# KiCad board sakura50.kicad_pcb (continued)
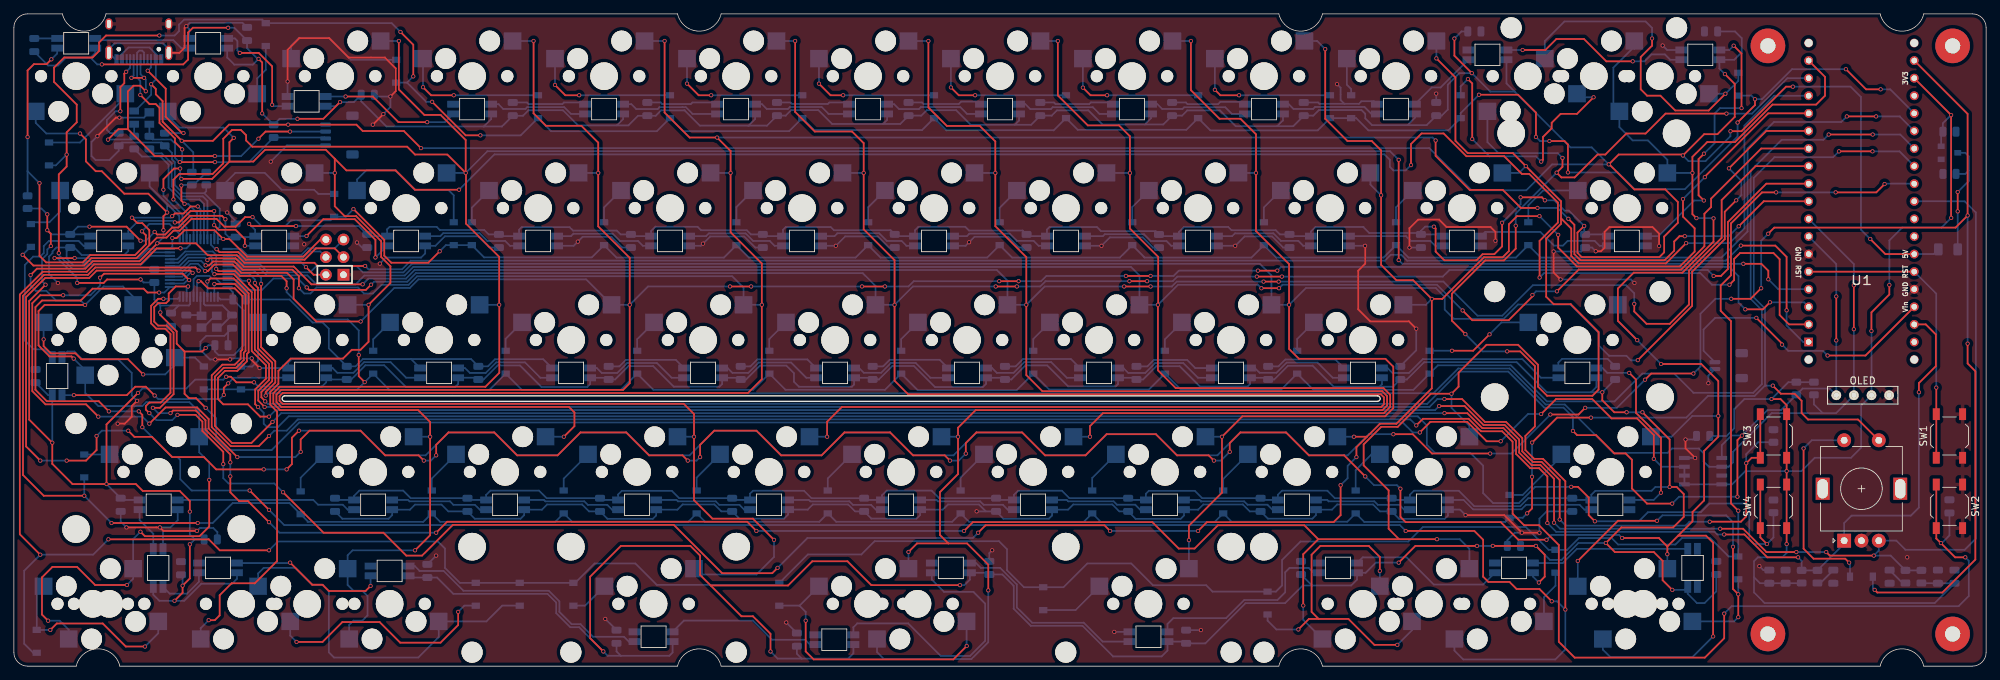
[diagram p0: board, top side]
## Routing (per net, layer and track width the routed paths; a pad name or vN(x,y) marks a point on that pad's centre or on a via; arc(x,y) is an arc through that point) (continued)
row1: length 335.8
  Top w0.25: v1(1.27,59.4) 2.82,57.85 10.14,57.85 11.2,58.92 17.68,58.92 20.65,61.88 22.03,61.88 23.04,62.89 23.94,62.89 25.63,64.58 29.27,64.58 30.39,63.47 32,63.47 33.38,64.84 v1(34.45,64.84) ; v1(17.04,64.76) 17.83,63.97 18.54,63.97 19.55,62.96 19.55,60.79 ; v1(26.54,66.39) 25.53,66.39 24.51,65.37 23.24,65.37 v1(22.86,64.99) ; v1(264.59,79.39) v1(268.81,79.39) ; v1(49.02,66.01) 53.47,61.56 53.47,59.28 54.48,58.26 59.82,58.26 v1(61.47,59.91)
  Bottom w0.25: v1(22.86,64.99) 22.63,64.76 v1(17.04,64.76) ; v1(26.54,66.39) 26.94,65.99 U2.31 ; v1(264.59,79.39) 263.78,78.58 254.06,78.58 250.26,74.78 250.26,62.77 246.5,59 220.41,59 D25.1 216.82,59 201.31,59 D24.1 197.72,59 182.24,59 D23.1 178.65,59 163.21,59 163.08,59.14 163.08,59.16 D22.1 159.64,59 144.09,59 D21.1 140.5,59 125.11,59 D20.1 121.52,59 106.1,59 D19.1 102.51,59 86.99,59 D18.1 83.43,59.03 67.88,59.03 D17.1 D16.1 62.36,60.8 v1(61.47,59.91) ; U1.22 272.22,79.39 v1(268.81,79.39) ; v1(34.45,64.84) 35.74,63.55 39.19,63.55 40.03,64.39 45.73,64.39 D15.1 47.91,64.9 v1(49.02,66.01) ; D14.1 2.41,60.55 v1(1.27,59.4)
row2: length 347.9
  Top w0.25: v1(50.64,41.02) 49.78,41.88 v1(49.78,44.92) ; v1(29.21,57.37) 29.53,57.05 31.94,57.05 32.63,56.35 38.61,56.35 39.37,55.59 v1(39.37,54.58) ; v1(261.97,76.77) v1(268.32,76.77)
  Bottom w0.25: v1(268.32,76.77) 272.3,76.77 U1.23 ; v1(39.37,54.58) 39.37,54.01 43.31,50.07 48.19,50.07 49.78,48.48 v1(49.78,44.92) ; v1(261.97,76.77) 261.21,76.01 255.17,76.01 250.71,71.54 250.71,53.04 252.33,51.42 252.33,40.72 251.08,39.47 242.45,39.47 239.68,42.25 235.07,42.25 231.05,38.23 221.3,38.23 216.09,43.44 205.56,43.44 D36.1 202.02,39.9 187.59,39.9 D35.1 182.93,39.93 168.47,39.93 D34.1 163.85,39.95 149.45,39.95 D33.1 144.75,39.85 130.47,39.85 D32.1 125.74,39.91 111.39,39.91 D31.1 106.71,39.91 92.3,39.91 D30.1 87.59,39.87 73.37,39.87 D29.1 68.61,39.86 54.26,39.86 D28.1 v1(50.64,41.02) 49.56,39.93 32.83,39.93 D27.1 D26.1 ; v1(29.21,57.37) 29.21,59.38 28.7,59.89 24.74,59.89 23.61,58.76 U2.21
row3: length 416.4
  Top w0.25: v1(227.65,35.89) 222.76,35.89 v1(219.16,32.29) ; v1(268.29,74.34) 268.29,74.34 v1(263.45,74.34) ; v1(14.1,20.67) v1(26.54,20.67) ; v1(253.9,40.51) 255.07,39.34 257.05,39.34 258.06,38.32 258.06,36.54 258.99,35.61 266.21,35.61 MX50.S1 ; v1(219.15,27.34) 219.15,22.77 v1(218.44,22.06) ; v1(10.16,24.61) 4.31,24.61 1.31,27.61 1.31,53.48 4.34,56.5 10.7,56.5 11.76,57.57 26.22,57.57 v1(26.67,57.12)
  Bottom w0.25: U1.24 272.19,74.34 v1(268.29,74.34) ; 252.78,40.53 252.78,51.63 251.16,53.26 251.16,70.52 254.14,73.5 262.61,73.5 v1(263.45,74.34) ; 252.78,40.53 251.27,39.02 244.54,39.02 241.41,35.89 v1(227.65,35.89) ; 252.78,40.53 252.81,40.51 v1(253.9,40.51) ; v1(26.54,20.67) 28.71,20.67 31.59,23.55 39.79,23.55 D38.1 42.5,20.84 ; v1(219.15,27.34) 219.15,32.28 v1(219.16,32.29) ; v1(218.44,22.06) 217.81,21.43 D47.1 215.29,20.82 194.93,20.82 D46.1 192.48,20.85 175.78,20.85 D45.1 173.33,20.82 156.9,20.82 D44.1 154.43,20.84 137.89,20.84 D43.1 135.45,20.85 118.71,20.85 D42.1 116.27,20.85 99.78,20.85 D41.1 97.33,20.83 80.61,20.83 D40.1 78.15,20.84 61.55,20.84 D39.1 59.1,20.84 42.38,20.84 ; v1(26.67,57.12) 26.16,57.62 25.66,57.62 24.29,56.26 U2.16 ; D37.1 10.16,24.61 v1(10.16,24.61) v1(14.1,20.67)
row4: length 435.9
  Top w0.25: v1(254.38,68.42) 252.35,68.42 247.87,63.94 247.87,56.45 246.38,54.96 246.38,51.31 247.87,49.82 247.87,23.5 v1(248.92,22.45) ; v1(270.04,69.62) 268.84,68.42 v1(262.97,68.42) ; v1(36.83,16.73) 29.72,16.73 28.13,18.32 v1(13.65,18.32) ; v1(24.05,60.34) 20.62,60.34 18.3,58.02 11.57,58.02 10.51,56.95 4.16,56.95 0.86,53.66 0.86,19.04 v1(3.81,16.09)
  Bottom w0.25: D49.1 2.79,1.93 1.49,3.23 1.49,13.77 v1(3.81,16.09) 11.43,16.09 v1(13.65,18.32) ; v1(270.04,69.62) 270.09,69.67 U1.25 ; v1(36.83,16.73) 38.1,18 61.21,18 62.23,16.98 62.23,14.19 64.39,12.03 D51.1 81.03,12.03 83.82,14.83 89.72,14.83 92.8,11.74 110.2,11.74 D53.1 110.52,12.03 114.61,16.13 122.34,16.13 124.25,18.04 142.2,18.04 143.36,16.88 143.36,13.84 145.81,11.39 D54.1 151.51,11.39 154.94,14.83 161.29,14.83 164.43,11.68 172.12,11.68 173.04,10.76 D55.1 182.18,10.76 183.07,11.65 183.07,15.33 185.74,18 201.29,18 203.39,20.09 218.25,20.09 221.55,16.8 D56.1 224.22,16.8 225.92,18.5 230.64,18.5 231.57,17.57 239.85,17.57 240.79,18.51 244.86,18.51 247.52,15.84 D57.1 v1(248.92,22.45) ; U2.28 25.44,60.87 24.91,60.34 v1(24.05,60.34) ; v1(254.38,68.42) v1(262.97,68.42)
RST: length 43.4
  Top w0.25: SW1.1 SW1.1 v1(277.5,40.23) ; U1.5 U1.30
  Bottom w0.25: v1(277.5,40.23) 277.5,53.79 U1.30
SCL: length 298.5
  Top w0.25: v1(265.6,55) v1(265.6,48.65) ; v1(36.35,39.08) 36.35,39.58 37.74,40.96 37.74,44.02 35.69,46.07 v1(35.69,55.21)
  Bottom w0.25: 261.11,36.54 263.03,36.54 J1.2 265.6,39.13 v1(265.6,48.65) ; 261.11,36.54 259.84,37.81 R14.1 ; 261.11,36.54 253.74,36.54 248.16,30.95 248.16,29.43 247.52,28.8 U3.6 244.68,28.8 243.92,29.55 243.92,30.74 243.23,31.43 239.35,31.43 238.72,30.8 230.86,30.8 223.88,37.78 221.11,37.78 215.91,42.99 208.5,42.99 204.91,39.4 63.38,39.4 63.38,39.41 36.68,39.41 v1(36.35,39.08) ; v1(265.6,55) 265.6,58.07 U1.8 ; v1(35.69,55.21) 35.69,56.1 34.67,57.12 32.75,57.12 32.11,57.76 U2.42
SDA: length 306.4
  Top w0.25: v1(225.05,33.97) 225.66,33.36 228.39,33.36 231.04,30.71 232.67,30.71 233.57,29.81 233.57,25.65 235.75,23.48 v1(239.38,23.48) ; v1(34.8,55.34) 34.8,55.08 35.24,54.64 35.24,45.88 37.29,43.83 37.29,41.15 35.73,39.59 35.73,38.82 36.28,38.27 v1(36.28,38.24) ; v1(249.46,33.3) 248.8,32.64 v1(248.8,24.47) ; v1(263.06,53.39) v1(263.06,47.04)
  Bottom w0.25: v1(263.06,47.04) 263.06,39.13 ; v1(239.38,23.48) 240.37,24.47 v1(248.8,24.47) ; J1.1 262.1,40.09 258.21,40.09 R15.1 255.11,36.99 253.15,36.99 v1(249.46,33.3) 247.93,33.3 246.54,31.91 U3.5 ; v1(263.06,53.39) 263.06,58.07 U1.7 ; U2.43 31.98,57.26 32.56,56.67 33.97,56.67 34.8,55.85 v1(34.8,55.34) ; v1(225.05,33.97) 225.05,35.97 223.69,37.33 220.93,37.33 215.72,42.54 208.68,42.54 204.02,37.88 36.64,37.88 v1(36.28,38.24)
SK6812: length 63.3
  Top w0.25: v1(3.7,69.76) 3.7,59.26 4.66,58.3 9.95,58.3 11.01,59.37 17.5,59.37 19.05,60.92 19.05,62.23 v1(18.49,62.79) ; v1(1.98,76.41) 1.98,86.02 2.89,86.93 4.72,86.93 v1(5.42,87.63)
  Bottom w0.25: R13.2 1.98,71.48 ; 1.98,71.48 v1(3.7,69.76) ; 1.98,71.48 v1(1.98,76.41) ; U2.25 23.94,62.39 22.46,63.86 19.56,63.86 v1(18.49,62.79) ; LED1.4 6.25,88.47 v1(5.42,87.63)
SWCLK-JTCK: length 18
  Bottom w0.25: U2.37 32.79,60.26 33.68,59.37 41.5,59.37 42.46,60.34 46.31,60.34 J2.2
SWDIO-JTMS: length 22.1
  Top w0.25: v1(29.26,60.21) 29.68,59.79 32.37,59.79 33.47,58.7 41.97,58.7 43.61,60.34 46.31,60.34 J2.4
  Bottom w0.25: v1(29.26,60.21) 29.09,60.21 28.44,60.87 U2.34
XTAL1: length 8.7
  Bottom w0.25: Y1.3 29.7,48.9 C8.1 30.1,52.1 27.65,52.1 27.44,52.3 U2.5
XTAL2: length 4.9
  Bottom w0.25: U2.6 26.94,50.76 Y1.1 ; C9.1 26.99,50.7
Net-(C2-Pad1): length 3.1
  Bottom w0.25: C2.1 260.77,12.01 R16.2
Net-(C3-Pad1): length 3.1
  Bottom w0.25: R17.2 272.63,12.01 C3.1
Net-(D1-Pad2): length 14.2
  Bottom w0.25: D1.2 9.54,75.62 16.09,82.16 MX1.1
Net-(D2-Pad2): length 7.4
  Bottom w0.25: D2.2 36.36,86.11 35.13,84.89 MX2.1
Net-(D3-Pad2): length 18.8
  Bottom w0.25: MX3.1 40.02,89.59 41.16,90.74 45.5,90.74 48.67,87.57 D3.2
Net-(D4-Pad2): length 21.2
  Top w0.25: v1(59.06,83.6) 60.23,82.44 v1(63.5,82.44)
  Bottom w0.25: 59.06,87.74 v1(59.06,83.6) ; D4.2 v1(63.5,82.44)
Net-(D5-Pad2): length 21
  Top w0.25: v1(78.11,83.93) 79.6,82.44 v1(81.61,82.44)
  Bottom w0.25: v1(81.61,82.44) D5.2 ; MX5.1 v1(78.11,83.93)
Net-(D6-Pad2): length 20.9
  Top w0.25: v1(100.66,82.44) 98.85,82.44 v1(97.17,84.13)
  Bottom w0.25: v1(100.66,82.44) D6.2 ; MX6.1 v1(97.17,84.13)
Net-(D7-Pad2): length 20.9
  Top w0.25: v1(116.22,84.12) 117.89,82.44 v1(119.71,82.44)
  Bottom w0.25: MX7.1 v1(116.22,84.12) ; v1(119.71,82.44) D7.2
Net-(D8-Pad2): length 21.2
  Top w0.25: v1(138.76,82.44) 136.39,82.44 v1(135.26,83.57)
  Bottom w0.25: v1(138.76,82.44) D8.2 ; MX8.1 v1(135.26,83.57)
Net-(D9-Pad2): length 21.3
  Top w0.25: v1(157.81,82.44) 155.42,82.44 v1(154.31,83.55)
  Bottom w0.25: D9.2 v1(157.81,82.44) ; v1(154.31,83.55) MX9.1
Net-(D10-Pad2): length 21.5
  Top w0.25: v1(176.86,82.44) 174.16,82.44 v1(173.37,83.24)
  Bottom w0.25: v1(176.86,82.44) D10.2 ; MX10.1 v1(173.37,83.24)
Net-(D11-Pad2): length 5.6
  Bottom w0.25: MX11.1 192.41,83.97 193.04,83.34 D11.2
Net-(D12-Pad2): length 39.4
  Top w0.25: v1(220.47,72.86) 220.73,73.12 220.73,76.42 221.98,77.68 221.98,78.47 223.27,79.76 225.63,79.76 v1(228.03,82.15) ; v1(210.52,76.12) 210.52,84.15 v1(209.89,84.78)
  Bottom w0.25: MX12.1 226.14,82.15 v1(228.03,82.15) ; v1(209.89,84.78) 208.84,83.73 D12.2 ; v1(220.47,72.86) 219.72,73.62 213.01,73.62 v1(210.52,76.12)
Net-(D13-Pad2): length 49.8
  Top w0.25: v1(247.06,82.66) 244.65,80.24 239.82,80.24 237.69,82.38 235.76,82.38 234.83,83.31 234.83,87.97 236.47,89.6 v1(236.47,90.64)
  Bottom w0.25: MX13.1 v1(247.06,82.66) 248.92,84.52 D13.2 ; MX14.1 220.99,90.27 223.82,93.1 235.55,93.1 236.47,92.17 v1(236.47,90.64)
Net-(D14-Pad2): length 7.9
  Bottom w0.25: MX15.1 6.68,65.65 5.13,64.1 2.46,64.1
Net-(D15-Pad2): length 18.7
  Bottom w0.25: D15.2 43.95,68.2 43.34,68.8 38.65,68.8 36.21,71.24 31.99,71.24 30.49,69.74 MX16.1
Net-(D16-Pad2): length 21.5
  Bottom w0.25: MX17.1 49.54,70.27 50.88,71.61 55.05,71.61 57.9,68.76 62.73,68.76 63.5,68 D16.2
Net-(D17-Pad2): length 5.6
  Bottom w0.25: MX18.1 66.11,66.21 D17.2
Net-(D18-Pad2): length 5.6
  Bottom w0.25: MX19.1 85.19,66.24 D18.2
Net-(D19-Pad2): length 5.6
  Bottom w0.25: MX20.1 104.3,66.3 D19.2
Net-(D20-Pad2): length 5.6
  Bottom w0.25: D20.2 123.31,66.26 MX21.1
Net-(D21-Pad2): length 5.6
  Bottom w0.25: MX22.1 142.3,66.2 D21.2
Net-(D22-Pad2): length 5.6
  Bottom w0.25: D22.2 161.44,66.29 MX23.1
Net-(D23-Pad2): length 5.6
  Bottom w0.25: D23.2 180.44,66.24 MX24.1
Net-(D24-Pad2): length 5.6
  Bottom w0.25: MX25.1 199.51,66.26 D24.2
Net-(D25-Pad2): length 10.5
  Bottom w0.25: D25.2 218.62,66.55 220.75,68.69 MX26.1
Net-(D26-Pad2): length 30.4
  Top w0.25: v1(18.67,42.13) 16.47,44.33 9.74,44.33 8.89,45.18 5.33,45.18 4.3,46.22 v1(4.3,47.19)
  Bottom w0.25: v1(18.67,42.13) 21.84,42.13 23.23,43.51 MX28.1 26.14,44.56 D26.2 ; MX27.1 v1(4.3,47.19)
Net-(D27-Pad2): length 8.3
  Bottom w0.25: MX29.1 35.25,44.11 34.42,43.27 D27.2
Net-(D28-Pad2): length 5.1
  Bottom w0.25: MX30.1 51.87,47.21 D28.2
Net-(D29-Pad2): length 5.1
  Bottom w0.25: D29.2 70.99,47.28 MX31.1
Net-(D30-Pad2): length 5.1
  Bottom w0.25: D30.2 89.97,47.21 MX32.1
Net-(D31-Pad2): length 5.1
  Bottom w0.25: D31.2 109.05,47.23 MX33.1
Net-(D32-Pad2): length 5.1
  Bottom w0.25: D32.2 128.08,47.21 MX34.1
Net-(D33-Pad2): length 5.1
  Bottom w0.25: D33.2 147.15,47.23 MX35.1
Net-(D34-Pad2): length 5.1
  Bottom w0.25: MX36.1 166.15,47.19 D34.2
Net-(D35-Pad2): length 5.1
  Bottom w0.25: MX37.1 185.25,47.23 D35.2
Net-(D36-Pad2): length 15.9
  Top w0.25: v1(213.01,47.91) 210.65,45.55 v1(207.59,45.55)
  Bottom w0.25: v1(213.01,47.91) 214.74,49.64 MX38.1 ; v1(207.59,45.55) D36.2
Net-(D37-Pad2): length 3.7
  Bottom w0.25: D37.2 13.79,30.56 MX39.1
Net-(D38-Pad2): length 6.8
  Bottom w0.25: MX40.1 41.4,27.21 D38.2
Net-(D39-Pad2): length 6.7
  Bottom w0.25: MX41.1 60.33,27.09 D39.2
Net-(D40-Pad2): length 6.7
  Bottom w0.25: MX42.1 79.38,27.09 D40.2
Net-(D41-Pad2): length 6.6
  Bottom w0.25: MX43.1 98.57,27.23 D41.2
Net-(D42-Pad2): length 6.7
  Bottom w0.25: MX44.1 117.49,27.1 D42.2
Net-(D43-Pad2): length 6.6
  Bottom w0.25: MX45.1 136.66,27.23 D43.2
Net-(D44-Pad2): length 6.6
  Bottom w0.25: MX46.1 155.66,27.17 D44.2
Net-(D45-Pad2): length 6.7
  Bottom w0.25: MX47.1 174.57,27.03 D45.2
Net-(D46-Pad2): length 7.4
  Bottom w0.25: MX48.1 195.98,30.59 193.69,28.31 D46.2
Net-(D47-Pad2): length 10.1
  Bottom w0.25: D47.2 217.8,24.73 223.37,30.3 MX49.1
Net-(D48-Pad1): length 30.3
  Top w0.25: v1(258.34,31.44) 258.34,16.97 259.8,15.51 ; 259.79,15.52 264.36,15.52 v1(264.92,14.95)
  Bottom w0.25: v1(258.34,31.44) 259.53,32.62 MX50.S2 ; v1(264.92,14.95) 265.05,14.82 D48.1
Net-(D49-Pad2): length 28.5
  Top w0.25: v1(5.27,5.23) 6.2,6.16 12.83,6.16 16.16,2.83 v1(18.93,2.83)
  Bottom w0.25: MX51.1 3.3,10.55 D49.2 v1(5.27,5.23) ; MX60.1 20.85,4.75 v1(18.93,2.83)
Net-(D50-Pad2): length 34.9
  Top w0.25: v1(40.81,3.5) 44.55,3.5 47.42,6.37 52.79,6.37 55.77,3.39 61.59,3.39 64.14,5.94 v1(64.14,7.84)
  Bottom w0.25: v1(64.14,7.84) 65.03,8.73 D50.2 ; MX52.1 39.9,4.41 v1(40.81,3.5)
Net-(D51-Pad2): length 54.9
  Bottom w0.25: MX61.1 35.25,13.38 36.07,14.19 40.64,14.19 43.08,11.75 44.55,11.75 45.47,10.83 45.47,2 46.22,1.25 58.38,1.25 61.33,4.19 MX53.1 68.22,6.46 70.48,8.73 D51.2
Net-(D52-Pad2): length 5.6
  Bottom w0.25: D52.2 82.45,8.73 MX54.1
Net-(D53-Pad2): length 41.9
  Top w0.25: v1(137.54,2.91) 135.61,0.97 115.45,0.97 114.3,2.12 v1(114.3,6.57)
  Bottom w0.25: 113.41,8.73 MX62.1 ; 113.41,8.73 113.4,8.73 D53.2 ; 113.41,8.73 114.3,7.84 v1(114.3,6.57) ; v1(137.54,2.91) 137.53,2.93 MX55.1
Net-(D54-Pad2): length 9.5
  Bottom w0.25: MX56.1 153.25,8.09 D54.2
Net-(D55-Pad2): length 51.6
  Top w0.25: v1(197.18,13.75) 197.18,15.77 195.58,17.37 188.59,17.37 187.32,16.09 187.32,7.84 188.35,6.81 ; v1(199.7,3.07) 196.39,3.07 192.65,6.81 188.35,6.81 ; v1(185.42,5.3) 186.93,6.81 188.35,6.81
  Bottom w0.25: MX57.1 201.82,5.19 v1(199.7,3.07) ; v1(185.42,5.3) 182.25,5.3 180.97,6.57 D55.2 ; MX63.1 v1(197.18,13.75)
Net-(D56-Pad2): length 7.7
  Bottom w0.25: MX58.1 220.87,9.95 222.54,11.62 D56.2
Net-(D57-Pad2): length 52.3
  Top w0.25: v1(248.16,17.24) 248.16,11.14 v1(248.92,10.38) v1(248.92,7.08) ; v1(225.75,15.19) 231.55,20.99 v1(237.18,20.99)
  Bottom w0.25: v1(248.16,17.24) 248.16,20.79 247.17,21.78 237.97,21.78 v1(237.18,20.99) ; v1(248.92,7.08) 248.3,6.46 MX59.1 ; D57.2 v1(248.92,10.38) ; MX64.1 v1(225.75,15.19)
Net-(LED1-Pad2): length 14.3
  Bottom w0.25: 11.5,90.4 23.02,90.4 24.17,89.25 LED2.4
Net-(LED2-Pad2): length 16.8
  Top w0.25: v1(32.61,88.56) 35.35,88.56 37.28,86.62 v1(37.28,81.06)
  Bottom w0.25: LED2.2 31.9,90.65 32.26,90.29 32.26,88.91 v1(32.61,88.56) ; LED3.4 37.48,80.86 v1(37.28,81.06)
Net-(LED3-Pad2): length 20.4
  Top w0.25: v1(47.89,82.26) 51.81,82.26 55.52,78.56 v1(59.66,78.56)
  Bottom w0.25: LED3.2 v1(47.89,82.26) ; v1(59.66,78.56) 62.21,78.56 LED4.4
Net-(LED4-Pad2): length 14.3
  Bottom w0.25: LED5.4 80.42,79.75 79.45,80.73 74.1,80.73 73.84,80.47 70.64,80.47 69.96,81.15 LED4.2
Net-(LED5-Pad2): length 14.4
  Bottom w0.25: LED5.2 89.14,81.15 89.84,80.45 92.93,80.45 93.2,80.72 96.52,80.72 96.52,80.72 97,80.72 97.97,79.75 LED6.4
Net-(LED6-Pad2): length 14.4
  Bottom w0.25: LED6.2 107.99,81.15 108.67,80.46 111.74,80.46 112.02,80.75 116.61,80.75 117.61,79.75 LED7.4
Net-(LED7-Pad2): length 14.4
  Bottom w0.25: LED8.4 137.59,79.75 136.61,80.73 130.93,80.73 130.65,80.45 127.77,80.45 127.07,81.15 LED7.2
Net-(LED8-Pad2): length 14.4
  Bottom w0.25: LED8.2 146.03,81.15 146.73,80.45 149.69,80.45 149.96,80.72 155.74,80.72 156.71,79.75 LED9.4
Net-(LED10-Pad2): length 14.4
  Bottom w0.25: LED11.4 195.97,79.75 194.96,80.76 187.84,80.76 187.54,80.46 184.72,80.46 184.03,81.15 LED10.2
Net-(LED10-Pad4): length 14.3
  Bottom w0.25: LED10.4 175.82,79.75 174.86,80.71 168.94,80.71 168.69,80.47 165.76,80.47 165.08,81.15 LED9.2
Net-(LED11-Pad2): length 10.4
  Bottom w0.25: LED11.2 204.67,83.57 205.95,83.57 LED12.4
Net-(LED12-Pad2): length 27.9
  Top w0.25: v1(217.79,88.98) 221.07,88.98 222.66,90.57 226.64,90.57 229.87,87.34 v1(233.68,87.34)
  Bottom w0.25: LED13.4 239.08,87.58 238.32,88.34 236.38,88.34 235.38,87.34 v1(233.68,87.34) ; LED12.2 v1(217.79,88.98)
Net-(LED13-Pad2): length 40.3
  Top w0.25: v1(243.95,67.24) 243.19,68.01 243.19,73.22 v1(243.97,74.01) ; v1(249.39,80.58) 249.39,88.47 v1(248.25,89.6)
  Bottom w0.25: LED13.2 247.63,88.98 v1(248.25,89.6) ; v1(243.95,67.24) 242.55,67.24 237.41,62.1 LED14.4 ; v1(249.39,80.58) 246.28,80.58 245.5,79.8 245.5,75.53 v1(243.97,74.01)
Net-(LED14-Pad2): length 20
  Bottom w0.25: LED14.2 228.9,60.7 228.18,61.42 224.3,61.42 223.62,60.74 222.31,60.74 220.35,62.7 212.38,62.7 LED15.4
Net-(LED15-Pad2): length 14.1
  Bottom w0.25: LED16.4 200.95,62.1 201.64,61.41 204.47,61.41 205.18,60.7 LED15.2
Net-(LED16-Pad2): length 14.5
  Bottom w0.25: LED17.4 175.87,62.1 176.28,62.51 181.81,62.51 182.9,61.41 185.41,61.41 186.12,60.7 LED16.2
Net-(LED17-Pad2): length 14.4
  Bottom w0.25: LED18.4 157.21,62.1 157.48,62.37 163.15,62.37 164.13,61.39 166.38,61.39 167.07,60.7 LED17.2
Net-(LED18-Pad2): length 14.5
  Bottom w0.25: LED19.4 137.57,62.1 137.93,62.46 143.75,62.46 144.76,61.46 144.76,61.41 147.21,61.41 147.92,60.7 LED18.2
Net-(LED19-Pad2): length 14.5
  Bottom w0.25: LED19.2 128.85,60.7 128.15,61.4 126.02,61.4 124.91,62.51 118.87,62.51 118.46,62.1 LED20.4
Net-(LED20-Pad2): length 14.5
  Bottom w0.25: LED20.2 109.82,60.7 109.11,61.41 106.71,61.41 105.61,62.5 100.33,62.5 99.93,62.1 LED21.4
Net-(LED21-Pad2): length 14.4
  Bottom w0.25: LED22.4 80.42,62.1 80.77,62.45 86.45,62.45 87.5,61.4 90.1,61.4 90.8,60.7 LED21.2
Net-(LED22-Pad2): length 14.5
  Bottom w0.25: LED23.4 61.56,62.1 62,62.53 67.23,62.53 68.35,61.41 70.91,61.41 71.62,60.7 LED22.2
Net-(LED23-Pad2): length 19
  Top w0.25: v1(42.24,62.12) 44.67,64.54 49.22,64.54 52.2,61.56 v1(52.2,59.02)
  Bottom w0.25: v1(52.2,59.02) LED23.2 ; v1(42.24,62.12) 42.23,62.1 LED24.4
Net-(LED24-Pad2): length 24.3
  Top w0.25: v1(23.24,64.08) 23.86,64.08 25.49,65.72 v1(28.91,65.72) ; v1(33.35,60.7) 33.35,61.67 32,63.02 29.58,63.02 v1(28.91,63.68)
  Bottom w0.25: LED24.2 v1(33.35,60.7) ; v1(28.91,63.68) v1(28.91,65.72) ; LED25.4 16.51,62.85 17.98,64.31 23.01,64.31 v1(23.24,64.08)
Net-(LED25-Pad2): length 27.6
  Bottom w0.25: LED26.4 4.44,45.75 2.86,45.75 1.59,47.02 1.59,57.94 2.79,59.15 3.81,59.15 4.32,59.66 4.32,60.67 5.05,61.41 9.35,61.41 10.06,60.7 LED25.2
Net-(LED26-Pad2): length 35.8
  Top w0.25: v1(30.31,39.16) 30.31,40.2 v1(30.94,40.84) ; v1(20.32,39.08) 19.05,40.35 17.53,40.35 16.31,39.14 v1(8.67,39.14)
  Bottom w0.25: LED27.4 31.76,41.65 v1(30.94,40.84) ; v1(30.31,39.16) 29.72,38.57 20.83,38.57 v1(20.32,39.08) ; LED26.2 v1(8.67,39.14)
Net-(LED27-Pad2): length 15.4
  Bottom w0.25: LED28.4 56.63,41.65 54.38,43.9 50.56,43.9 49.03,42.36 46.69,42.36 46.01,43.05 LED27.2
Net-(LED28-Pad2): length 15.4
  Bottom w0.25: LED28.2 65.12,43.05 65.82,42.35 68.12,42.35 69.64,43.87 73.78,43.87 76,41.65 LED29.4
Net-(LED29-Pad2): length 15.3
  Bottom w0.25: LED29.2 84.14,43.05 84.85,42.35 87.1,42.35 88.53,43.78 92.82,43.78 94.95,41.65 LED30.4
Net-(LED30-Pad2): length 15.4
  Bottom w0.25: LED30.2 103.03,43.05 103.73,42.35 106.01,42.35 107.51,43.85 112.19,43.85 114.39,41.65 LED31.4
Net-(LED31-Pad2): length 15.3
  Bottom w0.25: LED32.4 132.31,41.65 130.17,43.79 126.62,43.79 125.19,42.36 122.7,42.36 122.01,43.05 LED31.2
Net-(LED32-Pad2): length 15.4
  Bottom w0.25: LED33.4 152,41.65 149.74,43.91 145.86,43.91 144.31,42.36 141.89,42.36 141.2,43.05 LED32.2
Net-(LED33-Pad2): length 15.3
  Bottom w0.25: LED34.4 170.93,41.65 168.81,43.77 164.74,43.77 163.32,42.34 160.87,42.34 160.16,43.05 LED33.2
Net-(LED34-Pad2): length 15.3
  Bottom w0.25: LED34.2 179.13,43.05 179.81,42.37 182.26,42.37 183.72,43.83 188.19,43.83 190.37,41.65 LED35.4
Net-(LED35-Pad2): length 27.7
  Bottom w0.25: LED36.4 220.44,41.65 217.75,44.34 203.38,44.34 201.39,42.34 199,42.34 198.29,43.05 LED35.2
Net-(LED36-Pad2): length 29.2
  Top w0.25: v1(233.18,42.35) 234.16,41.37 234.16,36.57 237.76,32.97 v1(237.76,25.05)
  Bottom w0.25: LED36.2 229.31,43.05 230.01,42.35 v1(233.18,42.35) ; v1(237.76,25.05) 236.71,24 LED37.4
Net-(LED37-Pad2): length 21.8
  Bottom w0.25: LED37.2 226.72,22.6 226.02,23.3 218.28,23.3 217.63,22.65 210.62,22.65 209.26,24 LED38.4
Net-(LED38-Pad2): length 14.1
  Bottom w0.25: LED38.2 200.69,22.6 199.99,23.3 196.89,23.3 196.38,23.8 189.78,23.8 189.58,24 LED39.4
Net-(LED39-Pad2): length 14.2
  Bottom w0.25: LED39.2 181.67,22.6 180.96,23.31 178.08,23.31 177.59,23.8 171.41,23.8 171.38,23.77 171.15,24 LED40.4
Net-(LED40-Pad2): length 14.1
  Bottom w0.25: LED41.4 151.99,24 152.19,23.8 158.75,23.8 159.24,23.31 161.87,23.31 162.58,22.6 LED40.2
Net-(LED41-Pad2): length 14.1
  Bottom w0.25: LED42.4 133.19,24 133.39,23.8 139.49,23.8 139.99,23.3 142.77,23.3 143.47,22.6 LED41.2
Net-(LED42-Pad2): length 14.1
  Bottom w0.25: LED42.2 124.44,22.6 123.75,23.29 121.12,23.29 120.61,23.8 114.96,23.8 114.76,24 LED43.4
Net-(LED43-Pad2): length 14.1
  Bottom w0.25: LED43.2 105.43,22.6 104.74,23.29 101.81,23.29 101.31,23.8 95.86,23.8 95.66,24 LED44.4
Net-(LED44-Pad2): length 14.1
  Bottom w0.25: LED45.4 76.52,24 76.72,23.8 82.34,23.8 82.84,23.29 85.66,23.29 86.35,22.6 LED44.2
Net-(LED45-Pad2): length 14.1
  Bottom w0.25: LED46.4 56.91,24 57.11,23.8 62.96,23.8 63.46,23.29 66.56,23.29 67.26,22.6 LED45.2
Net-(LED46-Pad2): length 26
  Bottom w0.25: LED47.4 43.22,24 43.91,23.31 47.49,23.31 48.2,22.6 LED46.2
Net-(LED47-Pad2): length 6.5
  Bottom w0.25: LED48.4 20.13,19.12 18.16,21.09 LED47.2
Net-(LED48-Pad2): length 7.6
  Bottom w0.25: LED49.4 26.71,12.19 24.99,10.47 22.5,10.47 LED48.2
Net-(LED49-Pad2): length 22.7
  Top w0.25: v1(39.88,14.95) 43.07,11.76 44.56,11.76 45.46,10.85 50.76,10.85 v1(51.49,11.58)
  Bottom w0.25: LED49.2 39.82,14.89 ; LED50.4 v1(51.49,11.58)
Net-(LED50-Pad2): length 38
  Bottom w0.25: LED51.4 88.76,3.55 88.07,4.24 83.61,4.24 81.78,6.07 80.51,6.07 78.74,7.84 78.74,9.36 77.22,10.89 64.9,10.89 62.03,13.75 58.57,13.75 57.87,14.45 LED50.2
Net-(LED51-Pad2): length 22.7
  Bottom w0.25: LED52.4 114.9,3.13 114.21,3.82 109.43,3.82 106.68,6.57 96.71,6.57 LED51.2
Net-(LED52-Pad2): length 38.7
  Bottom w0.25: LED52.2 121.18,5.6 121.75,6.18 129.1,6.18 133.8,1.47 138.02,1.47 140.21,3.66 140.21,9.04 138.52,10.72 134.28,10.72 132.5,12.5 LED53.4
Net-(LED53-Pad2): length 29.7
  Bottom w0.25: LED54.4 157.16,3.55 154.44,6.27 146.98,6.27 144.78,8.48 144.78,11.79 142.38,14.19 139.58,14.19 138.88,14.89 LED53.2
Net-(LED54-Pad2): length 28.3
  Bottom w0.25: LED55.4 187.62,13.49 186.92,14.18 184.14,14.18 183.51,13.56 183.51,10.67 182.39,9.55 177.6,9.55 174.99,6.93 167.37,6.93 166.53,6.09 LED54.2
Net-(LED55-Pad2): length 22.6
  Bottom w0.25: LED56.4 212.08,11.79 204.97,11.79 201.04,15.71 194.71,15.71 LED55.2
Net-(LED56-Pad2): length 23.2
  Bottom w0.25: LED56.2 223.59,14.89 225.63,16.94 LED57.4
Net-(R7-Pad2): length 13.9
  Top w0.25: v1(16.21,85.83) 15.94,85.57 15.94,84.19 15.37,83.61 v1(15.37,80.14)
  Bottom w0.25: 16.79,87.62 16.79,86.41 v1(16.21,85.83) ; R7.2 13.91,76.97 13.42,77.45 13.42,78.86 14.7,80.14 v1(15.37,80.14)
Net-(R8-Pad1): length 15.7
  Top w0.25: v1(19.33,85.98) 21.92,83.39 21.92,79.33 24.27,76.98 v1(24.48,76.98)
  Bottom w0.25: 21.89,76.98 24.48,76.98 v1(24.48,76.98) ; v1(19.33,85.98) 19.79,86.45 19.79,87.62

## Copper pours and planes (outline as drawn; the poured copper is in the pictures)
GND on Top, Bottom: 286,-0.8 -1.27,-1.56 -1.27,95.22 286,95.47

## Text on the board
B.Mask: Made by HorrorTroll
F.Mask: さくら50 / (Sakura50)
